# KiCad board reform2-motherboard25.kicad_pcb (continued)
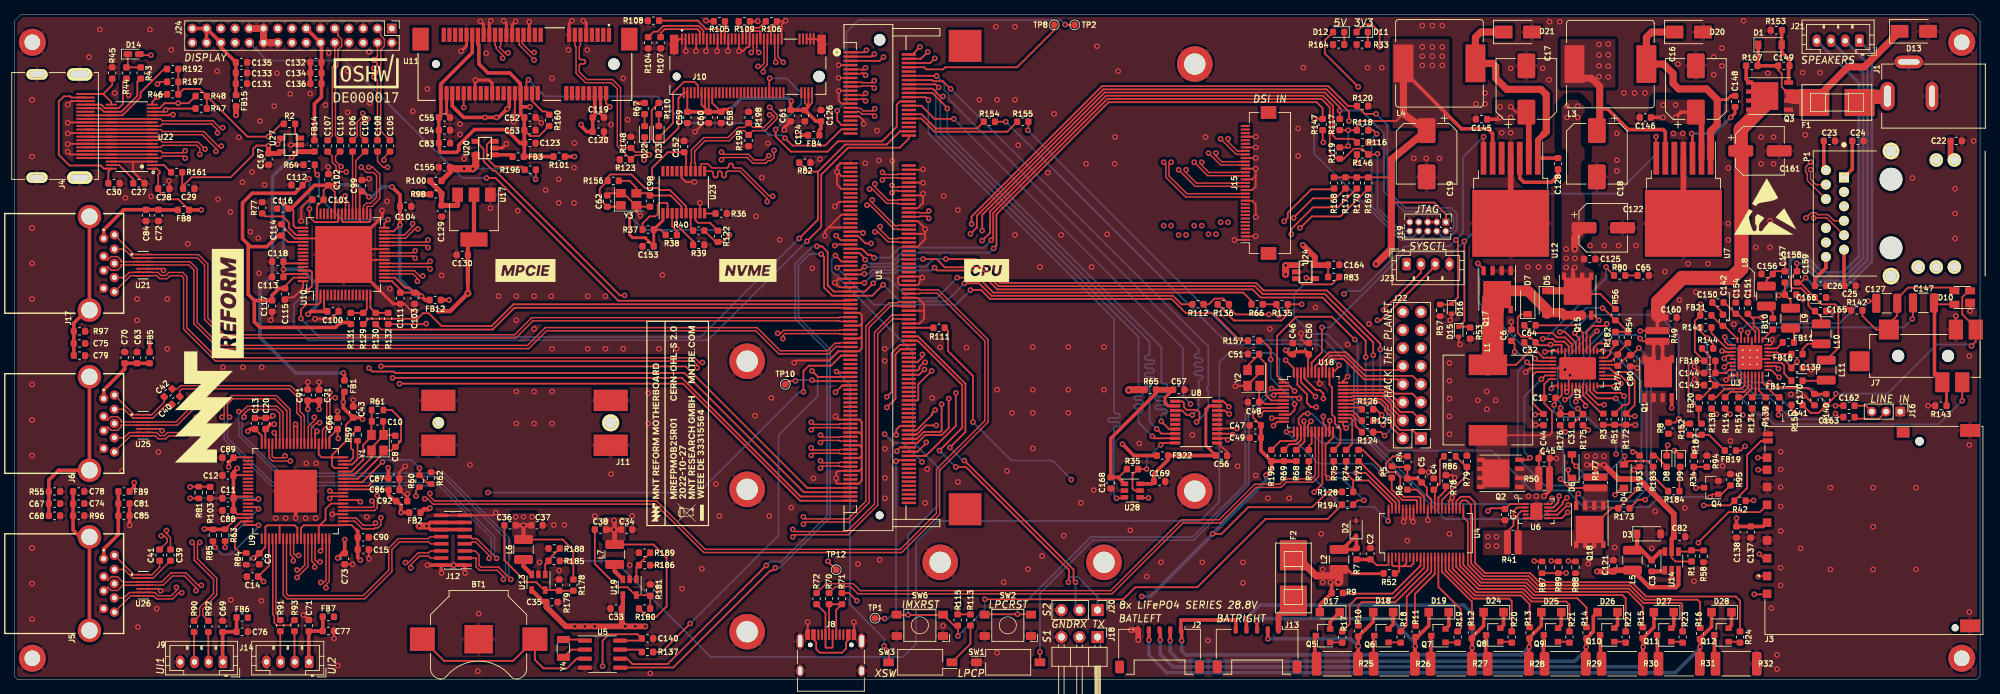
[diagram p0: board, top side]
## Routing (per net, layer and track width the routed paths; a pad name or vN(x,y) marks a point on that pad's centre or on a via; arc(x,y) is an arc through that point) (continued)
Net-(C141-Pad1): length 37.8
  Top w0.25: C141.1 252.19,37.5 253.34,37.5 R140.2 255.75,39.91 v1(255.75,40.2) ; v1(274.8,46.9) 275.4,47.5 J7.1 275.4,49.45 273.5,51.35 273.5,53.75 274.4,54.65 D10.2
  Bottom w0.25: v1(255.75,40.2) 263,40.2 269.9,47.1 274.6,47.1 v1(274.8,46.9)
Net-(C141-Pad2): length 16.5
  Top w0.25: v1(240.09,45.14) 240.5,45.55 U3.4 ; v1(250.15,37.4) 249.51,38.04 249.51,38.5
  Bottom w0.25: v1(240.09,45.14) 241.1,44.13 241.1,43.3 244.4,40 247.55,40 v1(250.15,37.4)
Net-(C142-Pad1): length 5.2
  Top w0.25: U3.32 241.95,47.87 240.11,49.71 C142.1 239.77,49.71 FB21.2
Net-(C143-Pad1): length 13.7
  Top w0.25: R144.1 238.07,45.44 238.07,42.16 C143.1 242.1,41.4 242.45,41.75 U3.10 ; FB20.2 236.99,39.69 238.71,41.4
Net-(C144-Pad2): length 4.3
  Top w0.25: FB18.2 C144.2 240.32,43.1 240.77,43.55 U3.8
Net-(C147-Pad1): length 18.1
  Top w0.25: 269.52,52.95 269.73,52.75 D10.4
  Top w0.4: J7.3 271.29,41.21 R143.1
  Top w0.5: 269.52,52.95 269.6,52.88 269.6,42.9 J7.3
Net-(C147-Pad2): length 27.3
  Top w0.25: v1(243.38,48.78) 243.45,48.71 U3.29 ; C147.2 266.57,50.78 v1(266.5,50.7)
  Bottom w0.25: v1(266.5,50.7) 265.3,49.5 244.09,49.5 v1(243.38,48.78)
Net-(C148-Pad1): length 32.2
  Top w0.4: C148.1 241.02,82.04 240.49,81.5 239.1,81.5
  Top w1: U7.1 238.16,77.06 239.1,78 239.1,81.5 237.6,83 233.7,83 232.9,83.8 232.9,85.15 231.55,86.5 L3.1 229.15,90.25 229.9,91 D20.1
Net-(C148-Pad2): length 11.7
  Top w0.4: C148.2 241.6,79.6 v1(241,79) ; U7.3 235.62,76.63 v1(235.5,76.75)
  Bottom w0.4: v1(235.5,76.75) 238.75,76.75 v1(241,79)
Net-(C149-Pad1): length 29.7
  Top w0.25: C149.1 247.66,85.67 248.16,85.18 248.16,83.27 248.79,82.63 Q3.3
  Top w0.5: C149.1 R167.2 244.85,86.36 D1.1
  Top w1: F1.2 252.71,81.36 257.45,86.1 259.75,86.1 264.7,91.05 D13.1
  Top w2: 252.71,81.9 249.65,81.9
Net-(C149-Pad2): length 7.9
  Top w0.5: Q3.4 249.12,86.13 C149.2 249.24,87.06 248.15,88.15 D1.2 248.15,91.21 R153.1
Net-(C150-Pad1): length 7.3
  Top w0.25: U3.27 244.45,48.94 241.98,51.41 C154.1 240.11,53 C150.1
Net-(C152-Pad1): length 61.7
  Top w0.25: v1(89.55,70.45) 89.55,71.9 91.76,74.11 C152.1 94.32,73.84 U23.15 ; R37.1 90.71,63.25 R38.1 ; v1(100.4,62.5) 99.41,61.51 R122.1 98.47,61.51 R40.1
  Top w0.4: U23.1 91.07,64.54 R37.1 C153.1 88.64,62.05 88.64,62.1 86.8,62.1 86.4,62.5 v1(86.4,65.2)
  Top w0.5: R101.1 v1(78.65,73.5)
  Power.Cu w0.5: v1(89.55,70.45) 87.2,68.1 86.4,68.1 ; v1(78.65,73.5) 81,73.5 86.4,68.1 ; 86.4,68.1 v1(86.4,65.2)
  Bottom w0.25: v1(86.4,65.2) 88.4,63.2 99.7,63.2 v1(100.4,62.5)
Net-(C156-Pad1): length 51.3
  Top w0.25: v1(248.5,58.5) 248.6,58.4 C157.1 248.59,57.4 247.29,57.4 C156.1 246,56.11 L8.2
  Bottom w0.4: v1(248.5,58.5) 248.5,59.07 249.33,59.9 251.2,59.9 253.85,57.25 256.75,57.25 259,59.5 259,83.84 J21.4
Net-(C157-Pad2): length 55.3
  Top w0.25: C158.1 247.85,54.1 v1(247.75,54) ; C158.1 248.61,55.8 C157.2 ; C158.1 249.4,53.31 L9.2
  Bottom w0.4: v1(247.75,54) 249.3,55.55 249.3,58.73 249.87,59.3 250.95,59.3 253.6,56.65 257,56.65 259.6,59.25 259.6,85.24 J21.3
Net-(C159-Pad1): length 55.7
  Top w0.25: v1(250.25,58.5) 250.3,58.45 C159.1 249.45,56.54 249.45,55.25 249.7,55 250.88,55 251.9,53.98 251.9,52.55 252.65,51.8 C165.1 253.7,50.91 L10.2
  Bottom w0.4: v1(250.25,58.5) 250.9,58.5 253.35,56.05 257.25,56.05 260.2,59 260.2,86.64 J21.2
Net-(C159-Pad2): length 59.7
  Top w0.25: v1(251.5,56.5) 250.81,55.81 C159.2 250.7,55.81 C166.1 253.76,52.75 255.65,52.75 256.1,52.3 256.1,46.6 L11.2
  Bottom w0.4: v1(251.5,56.5) 252.55,55.45 257.5,55.45 260.8,58.75 260.8,88.04 J21.1
Net-(C162-Pad1): length 22.6
  Top w0.25: v1(255.7,38.5) C162.1 ; v1(239.77,46.18) 239.9,46.05 U3.3
  Bottom w0.25: v1(239.77,46.18) 240.34,46.18 241.55,44.97 241.55,43.49 244.14,40.9 252.4,40.9 254.8,38.5 v1(255.7,38.5)
Net-(C162-Pad2): length 2.8
  Top w0.25: C162.2 259.98,38.5 J16.3
Net-(C163-Pad1): length 22
  Top w0.25: v1(255.7,37.4) 256.2,36.9 C163.1 ; U3.6 240.7,44.55 v1(240.1,43.95)
  Bottom w0.25: v1(255.7,37.4) 254.9,36.6 249.5,36.6 246.55,39.55 243.98,39.55 240.1,43.43 v1(240.1,43.95)
Net-(C163-Pad2): length 4.9
  Top w0.25: J16.2 261.8,36.67 258.61,36.67 C163.2
Net-(C168-Pad1): length 25.3
  Top w0.25: 154.96,28.44 155.05,28.44 R35.1
  Top w0.4: C57.1 161.55,39.59 161.55,38.9 161.97,38.47 U8.2
  Top w0.5: R65.1 160.29,40.24 153.95,33.9 C168.1 154.96,28.44 U28.1
  Top w0.8: R65.1 C57.1
Net-(C170-Pad1): length 21
  Top w0.25: v1(240.15,48.16) 240.15,47.55 240.65,47.05 U3.1 ; v1(246.46,41.76) 247.1,41.12 248.33,41.12 248.45,41 251.89,41 C170.1
  Top w0.4: C170.1 R140.1
  Bottom w0.25: v1(246.46,41.76) 243.91,41.76 242,43.67 242,46.31 v1(240.15,48.16)
Net-(D2-Pad1): length 5.4
  Top w0.5: 187.2,18.3 188.26,18.3 R7.1 188.45,20.2 D2.1 186.9,18.75 186.9,18.6
Net-(D8-Pad2): length 2.6
  Top w0.25: R183.2 230.43,31.49 D8.2
Net-(D9-Pad2): length 3.5
  Top w0.25: D9.2 233.79,29.8 R184.2
Net-(D11-Pad1): length 1.8
  Top w0.25: D11.1 R33.2
Net-(D12-Pad1): length 1.8
  Top w0.25: R164.2 D12.1
Net-(D14-Pad1): length 3.9
  Top w0.25: D14.1 15.94,86.22 R44.1 R43.1
Net-(D17-Pad1): length 2.9
  Top w0.5: Q5.2 184.75,8.15 D17.1
Net-(D18-Pad1): length 2.4
  Top w0.5: Q6.2 193.62,7.83 193.62,9.3
Net-(D19-Pad1): length 2.2
  Top w0.5: 201.43,9.2 201.43,7.62 Q7.2
Net-(D22-Pad1): length 30.7
  Top w0.25: D22.1 v1(88.5,75.1) ; U11.44 v1(63.1,80.4)
  Signal.Cu w0.25: v1(88.5,75.1) 86.99,76.61 66.89,76.61 v1(63.1,80.4)
Net-(D22-Pad2): length 1.7
  Top w0.25: R67.2 D22.2
Net-(D23-Pad1): length 12.5
  Top w0.25: J10.10 96,83.5 95.5,84 94.01,84 92.5,82.49 92.5,78.21 D23.1
Net-(D23-Pad2): length 1.7
  Top w0.25: R110.2 D23.2
Net-(D24-Pad1): length 2.4
  Top w0.5: D24.1 209.1,7.7 Q8.2
Net-(D25-Pad1): length 2.4
  Top w0.5: Q9.2 217.2,7.7 D25.1
Net-(D26-Pad1): length 2.4
  Top w0.5: D26.1 225.1,7.7 Q10.2
Net-(D27-Pad1): length 2.4
  Top w0.5: D27.1 233,7.6 Q11.2
Net-(D28-Pad1): length 2.4
  Top w0.5: Q12.2 241.1,7.65 D28.1
Net-(FB3-Pad1): length 2.7
  Top w0.5: FB3.1 69.71,73.75 U20.1
Net-(FB10-Pad1): length 2.1
  Top w0.25: U3.25 245.45,47.76 FB10.1
Net-(FB10-Pad2): length 2.1
  Top w0.25: FB10.2 246.9,51.6 L8.1
Net-(FB11-Pad1): length 2.5
  Top w0.25: FB11.1 247.45,46.55 U3.23
Net-(FB11-Pad2): length 2.2
  Top w0.25: FB11.2 249.88,48.92 L9.1
Net-(FB16-Pad1): length 3.5
  Top w0.25: U3.22 246.19,46 247.53,46 247.78,45.75 FB16.1
Net-(FB16-Pad2): length 3.6
  Top w0.25: FB16.2 251.09,46.49 251.8,47.2 L10.1
Net-(FB17-Pad1): length 5.1
  Top w0.25: FB17.1 248.5,43.01 248.5,44.17 248.12,44.55 U3.19
Net-(FB17-Pad2): length 2.7
  Top w0.25: 253.7,42.1 253.6,42 FB17.2
Net-(FB19-Pad1): length 5.8
  Top w0.25: FB19.1 237.95,34.41 R187.2 R152.2
Net-(J3-Pad1): length 96
  Top w0.25: U8.13 170.94,34.58 v1(171.08,34.43) ; J3.1 244.93,14.58 v1(244.85,14.5)
  Signal.Cu w0.25: v1(171.08,34.43) 175.01,30.5 202.2,30.5 212.05,20.65 239.3,20.65 239.65,20.3 arc(239.74,20.09) 239.65,19.88 239.62,19.84 arc(239.53,19.63) 239.62,19.42 arc(239.83,19.33) 240.04,19.42 240.53,19.91 arc(240.74,20) 240.96,19.91 arc(241.04,19.7) 240.96,19.48 240.47,18.99 arc(240.38,18.78) 240.47,18.57 arc(240.68,18.48) 240.89,18.57 241.38,19.06 arc(241.59,19.15) 241.8,19.06 arc(241.89,18.85) 241.8,18.64 241.31,18.15 arc(241.23,17.93) 241.31,17.72 arc(241.53,17.63) 241.74,17.72 242.23,18.21 arc(242.44,18.3) 242.65,18.21 arc(242.74,18) 242.65,17.79 242.16,17.3 arc(242.07,17.08) 242.16,16.87 arc(242.37,16.78) 242.59,16.87 243.08,17.36 arc(243.29,17.45) 243.5,17.36 arc(243.59,17.15) 243.5,16.94 243.01,16.45 arc(242.92,16.24) 243.01,16.02 arc(243.22,15.94) 243.44,16.02 243.93,16.51 arc(244.14,16.6) 244.35,16.51 arc(244.44,16.3) 244.35,16.09 244.32,16.06 arc(244.23,15.85) 244.32,15.63 244.85,15.1 v1(244.85,14.5)
Net-(J3-Pad2): length 96
  Top w0.25: v1(245,17.65) 245.57,17.08 J3.2 ; 168.9,35.22 168.97,35.3 v1(171.7,35.3)
  Signal.Cu w0.25: v1(171.7,35.3) 176,31 202.5,31 212.3,21.2 241.4,21.2 241.95,20.65 arc(242.17,20.56) 242.38,20.65 243.11,21.38 arc(243.32,21.47) 243.54,21.38 arc(243.62,21.17) 243.54,20.95 242.28,19.7 arc(242.19,19.49) 242.28,19.28 arc(242.49,19.19) 242.71,19.28 243.96,20.53 arc(244.17,20.62) 244.38,20.53 arc(244.47,20.32) 244.38,20.11 243.13,18.85 arc(243.04,18.64) 243.13,18.43 arc(243.34,18.34) 243.55,18.43 244.81,19.68 arc(245.02,19.77) 245.23,19.68 arc(245.32,19.47) 245.23,19.26 244.5,18.52 arc(244.41,18.31) 244.5,18.1 244.95,17.65 v1(245,17.65)
Net-(J3-Pad5): length 96.4
  Top w0.25: J3.5 245.07,23.55 240.7,23.55 236.45,19.3 v1(236.45,19.25) ; v1(159.25,25.55) 158.15,25.55 U28.4
  Signal.Cu w0.25: v1(236.45,19.25) 236.35,19.35 209.85,19.35 208.82,20.38 208.82,20.4 208.4,20.83 208.38,20.83 201.75,27.45 169.85,27.45 167.55,29.75 163.45,29.75 v1(159.25,25.55)
Net-(J3-Pad7): length 96
  Top w0.25: U8.18 169.98,37.83 170.46,37.34 v1(170.59,37.34) ; J3.7 v1(244.85,29.5)
  Signal.Cu w0.25: v1(244.85,29.5) 244.85,28.25 241.82,25.22 arc(241.61,25.13) 241.4,25.22 241.3,25.31 arc(241.09,25.4) 240.88,25.31 arc(240.79,25.1) 240.88,24.89 241.63,24.14 arc(241.72,23.92) 241.63,23.71 arc(241.42,23.62) 241.21,23.71 240.45,24.47 arc(240.24,24.55) 240.03,24.47 arc(239.94,24.25) 240.03,24.04 240.78,23.29 arc(240.87,23.07) 240.78,22.86 arc(240.57,22.77) 240.36,22.86 239.6,23.62 arc(239.39,23.71) 239.18,23.62 arc(239.09,23.41) 239.18,23.19 239.93,22.44 arc(240.02,22.23) 239.93,22.01 arc(239.72,21.93) 239.51,22.01 239.27,22.25 arc(239.06,22.34) 238.85,22.25 238.35,21.75 212.55,21.75 202.8,31.5 176.58,31.5 170.74,37.34 v1(170.59,37.34)
Net-(J3-Pad8): length 96
  Top w0.25: v1(170.54,38.34) 169.75,39.12 U8.20 ; J3.8 v1(244.8,31.2)
  Signal.Cu w0.25: v1(170.54,38.34) 170.74,38.34 177.07,32 203.1,32 212.8,22.3 236.6,22.3 240.16,25.86 arc(240.24,26.07) 240.16,26.28 240.09,26.35 arc(240,26.56) 240.09,26.77 arc(240.3,26.86) 240.51,26.77 241.07,26.21 arc(241.29,26.12) 241.5,26.21 arc(241.59,26.42) 241.5,26.63 240.93,27.2 arc(240.85,27.41) 240.93,27.62 arc(241.15,27.71) 241.36,27.62 241.92,27.06 arc(242.14,26.97) 242.35,27.06 arc(242.44,27.27) 242.35,27.48 241.78,28.05 arc(241.69,28.26) 241.78,28.47 arc(241.99,28.56) 242.21,28.47 242.77,27.91 arc(242.98,27.82) 243.2,27.91 arc(243.28,28.12) 243.2,28.33 242.63,28.9 arc(242.54,29.11) 242.63,29.32 arc(242.84,29.41) 243.06,29.32 243.13,29.25 arc(243.34,29.16) 243.55,29.25 244,29.7 244,30.4 v1(244.8,31.2)
Net-(J3-Pad9): length 96
  Top w0.25: v1(244.3,12) 246.02,12 J3.9 ; U8.12 170.18,33.92 v1(170.37,33.73)
  Signal.Cu w0.25: v1(244.3,12) 243.9,12.4 243.9,13.45 242.98,14.37 arc(242.79,14.45) 242.6,14.37 arc(242.4,14.29) 242.21,14.37 242.17,14.41 arc(242.09,14.61) 242.17,14.8 242.55,15.18 arc(242.63,15.37) 242.55,15.56 242.51,15.6 arc(242.32,15.68) 242.13,15.6 241.75,15.22 arc(241.56,15.14) 241.36,15.22 241.32,15.26 arc(241.24,15.45) 241.32,15.65 241.7,16.03 arc(241.78,16.22) 241.7,16.41 241.66,16.45 arc(241.47,16.53) 241.28,16.45 240.9,16.07 arc(240.71,15.99) 240.52,16.07 240.47,16.11 arc(240.39,16.3) 240.47,16.49 240.86,16.88 arc(240.94,17.07) 240.86,17.26 240.81,17.3 arc(240.62,17.38) 240.43,17.3 240.05,16.92 arc(239.86,16.84) 239.67,16.92 239.63,16.96 arc(239.55,17.15) 239.63,17.34 240.01,17.72 arc(240.09,17.92) 240.01,18.11 239.97,18.15 arc(239.77,18.23) 239.58,18.15 239.2,17.77 arc(239.01,17.69) 238.82,17.77 238.78,17.81 arc(238.7,18) 238.78,18.19 239.16,18.57 arc(239.24,18.76) 239.16,18.96 239.12,19 arc(238.93,19.08) 238.74,19 238.54,18.81 238.54,18.81 238.35,18.62 arc(238.16,18.54) 237.97,18.62 237.92,18.66 arc(237.85,18.85) 237.92,19.04 arc(238,19.23) 237.93,19.42 237.25,20.1 211.8,20.1 202,29.9 174.2,29.9 v1(170.37,33.73)
Net-(J4-Pad13): length 14.5
  Top w0.25: J4.13 U22.23 15.19,79.3 17.74,81.85 17.74,82.51 21.02,85.8 R192.2
Net-(J4-Pad15): length 11
  Top w0.25: R43.2 17.29,84 17.29,82.04 15.05,79.8 U22.22 12.59,79.8 12.09,80.3 J4.15
Net-(J4-Pad16): length 9.5
  Top w0.25: J4.16 12.23,80.8 12.73,80.3 U22.21 14.65,80.3 15.25,80.9 15.25,83.96 R44.2
Net-(J4-Pad19): length 7.1
  Top w0.25: 12.5,82.3 13.62,81.18 U22.20 ; 12.5,82.3 J4.19 ; 12.5,82.3 13.75,83.55 R45.1
Net-(J7-Pad6): length 51.2
  Top w0.25: R144.2 238.54,47.16 v1(237.7,48) 236.71,48.99 R141.1 ; v1(273.5,39.2) J7.6
  Bottom w0.25: v1(237.7,48) 237.7,43.3 240.25,40.75 241.33,40.75 244.83,37.25 245.72,37.25 247.07,35.9 270.2,35.9 v1(273.5,39.2)
Net-(J8-PadA6): length 11.1
  Top w0.25: 114.4,6.14 R70.1 R71.2 115.4,9.81 115.4,6.14
Net-(J8-PadA7): length 9.2
  Top w0.25: 114.9,6.14 114.9,4.6 114.8,4.5 114,4.5 113.9,4.6 113.9,9.36 R72.1
Net-(J9-Pad2): length 4.2
  Top w0.25: R92.2 27.25,2.55 J9.2
Net-(J9-Pad3): length 4.2
  Top w0.25: R90.2 25.25,2.55 J9.3
Net-(J10-Pad11): length 7.4
  Top w0.25: R107.1 90.75,90.83 91.32,91.4 95.9,91.4 96.25,91.05 J10.11
Net-(J10-Pad13): length 9.8
  Top w0.25: J10.13 96.75,91.19 96.09,91.85 91.14,91.85 90.34,91.05 89.76,91.05 R104.1
Net-(J10-Pad23): length 10.4
  Top w0.25: R108.1 95.97,92.6 97.17,91.4 98.89,91.4 99.23,91.06 99.24,91.06 99.25,91.05 J10.23
Net-(J10-Pad25): length 2.5
  Top w0.25: J10.25 99.75,92.46 R105.1
Net-(J10-Pad35): length 2.7
  Top w0.25: J10.35 102.25,91.39 101.71,91.92 R109.1
Net-(J10-Pad37): length 4.6
  Top w0.25: J10.37 102.73,90.05 102.73,91.33 103,91.6 104.61,91.6 R106.1
Net-(J14-Pad2): length 4.3
  Top w0.25: R93.2 39.35,2.55 J14.2
Net-(J14-Pad3): length 4.3
  Top w0.25: R91.2 37.35,2.55 J14.3
Net-(L6-Pad1): length 2.6
  Top w0.6: L6.1 71.5,15.95 U13.3
Net-(L7-Pad1): length 2.6
  Top w0.6: U19.3 84.3,15.25 L7.1
Net-(P1-Pad13): length 81.6
  Top w0.25: R116.1 v1(191.3,75.5)
  Signal.Cu w0.25: v1(191.3,75.5) 261.63,75.5 262.57,76.45 266.42,76.45 P1.13
Net-(P1-Pad15): length 90.7
  Top w0.25: v1(188.5,72.6) 188.51,72.61 R146.1
  Signal.Cu w0.25: v1(188.5,72.6) 192.2,72.6 194.25,74.65 255.65,74.65 267.31,62.99 P1.15
Net-(P1-Pad17): length 106.2
  Top w0.25: v1(183.8,75.5) 183.7,75.6 R147.1
  Signal.Cu w0.25: v1(183.8,75.5) 183.8,73.6 185.53,71.87 192.17,71.87 ; P1.17 270.63,56.22 266.43,56.22 265.75,56.9 265.75,63.91 255.46,74.2 194.5,74.2 192.2,71.9
Net-(Q1-Pad4): length 22.3
  Top w0.25: v1(215.8,40.93) 215.8,41 216.11,41.31 U2.1
  Top w0.5: v1(232.7,38.2) 232.7,38.2 Q1.4
  Signal.Cu w0.25: v1(215.8,40.93) 216.4,41.53 223.75,41.53 225.23,43 227.9,43 v1(232.7,38.2)
Net-(Q1-Pad5): length 31.2
  Top w0.25: R49.1 228.66,47.55 v1(228.26,47.95) ; v1(219.24,39.09) 219.25,39.1 U2.6
  Top w0.5: Q1.8 Q1.7 ; Q1.7 230.17,43.62 Q1.5 ; Q1.7 230.17,47.02 R49.1 231.44,46.81 Q1.6 Q1.5
  Bottom w0.25: v1(228.26,47.95) 227.76,48.45 223.65,48.45 221.2,46 221.2,40.95 219.34,39.09 v1(219.24,39.09)
Net-(Q2-Pad4): length 15.8
  Top w0.25: v1(214.41,42.21) 214.95,42.75 U2.37 ; Q2.4 212.52,30.91 v1(212.81,31.19)
  Bottom w0.25: v1(214.41,42.21) 212.02,39.82 212.02,31.97 v1(212.81,31.19)
Net-(Q4-Pad3): length 27
  Top w0.25: Q4.3 236.15,27 v1(236.1,26.95) ; U2.16 224.02,43.75 224.52,43.25 226.31,43.25 227.5,42.06 227.5,38.59 R172.1 226.66,37.02 v1(227.52,37.02)
  Signal.Cu w0.25: v1(227.52,37.02) 228.35,36.2 228.35,34.02 235.42,26.95 v1(236.1,26.95)
Net-(Q5-Pad1): length 1.7
  Top w0.25: R17.1 186.41,5.25 Q5.1
Net-(Q5-Pad3): length 4.1
  Top w0.5: R25.2 182.6,2.5 182.6,6.05 Q5.3
Net-(Q6-Pad1): length 1.7
  Top w0.25: Q6.1 194.61,5.25 R18.1
Net-(Q6-Pad3): length 4
  Top w0.4: Q6.3 190.85,6.1 R26.2
Net-(Q7-Pad1): length 1.7
  Top w0.25: Q7.1 202.61,5.25 R19.1
Net-(Q7-Pad3): length 4
  Top w0.5: Q7.3 198.9,6.15 198.9,2.3 R27.2
Net-(Q8-Pad1): length 1.7
  Top w0.25: R20.1 210.11,5.35 Q8.1
Net-(Q8-Pad3): length 4.2
  Top w0.5: R28.2 206.6,2.5 206.6,6.25 Q8.3
Net-(Q9-Pad1): length 1.7
  Top w0.25: Q9.1 218.21,5.35 R21.1
Net-(Q9-Pad3): length 4.1
  Top w0.5: Q9.3 214.7,6.25 214.7,2.4 R29.2
Net-(Q10-Pad1): length 1.7
  Top w0.25: R22.1 226.11,5.35 Q10.1
Net-(Q10-Pad3): length 4.1
  Top w0.5: R30.2 222.7,2.4 222.7,6.25 Q10.3
Net-(Q11-Pad1): length 1.7
  Top w0.25: R23.1 234.11,5.35 Q11.1
Net-(Q11-Pad3): length 4.1
  Top w0.5: R31.2 230.7,2.4 230.7,6.25 Q11.3
Net-(Q12-Pad1): length 1.7
  Top w0.25: R24.1 242.16,5.35 Q12.1
Net-(Q12-Pad3): length 4.1
  Top w0.5: Q12.3 238.7,2.4 R32.2
Net-(Q15-Pad4): length 12.8
  Top w0.25: U2.31 214.99,46.19 v1(214.88,46.08) ; Q15.4 221.77,51.23 v1(222.5,50.5)
  Bottom w0.25: v1(222.5,50.5) 222.2,50.5 217.78,46.08 v1(214.88,46.08)
Net-(Q17-Pad4): length 20.8
  Top w0.25: v1(213.53,45.13) 213.9,44.75 U2.33 ; Q17.4 206.29,57.71 v1(205.5,58.5)
  Bottom w0.25: v1(213.53,45.13) 205.5,53.15 v1(205.5,58.5)
Net-(Q18-Pad1): length 13.6
  Top w0.25: R176.1 217.05,35.55 v1(217.8,34.8) ; R177.2 218.35,26.95 v1(217.1,28.2)
  Bottom w0.25: v1(217.1,28.2) 217.5,28.6 217.5,29.17 217.48,29.2 217.48,34.47 v1(217.8,34.8)
Net-(Q18-Pad4): length 39.5
  Top w0.25: v1(219.6,26.15) 219.3,25.84 Q18.4 ; U2.21 221.75,46.67 222.33,47.25 v1(223.7,47.25)
  Bottom w0.25: v1(223.7,47.25) 224.1,47.65 225.43,47.65 229.2,43.88 229.2,26.88 227.4,25.07 220.68,25.07 v1(219.6,26.15)
Net-(R1-Pad1): length 3.6
  Top w0.25: U14.4 235.32,18.01 R1.1 237.16,18.19 R58.1
Net-(R2-Pad1): length 2.3
  Top w0.25: R2.1 39.44,76.76 U27.3
Net-(R3-Pad2): length 5.2
  Top w0.25: U2.8 220.25,40 222.86,37.39 R3.2
Net-(R4-Pad2): length 13.7
  Top w0.25: U4.35 197.45,25.55 197.3,25.7 195.08,25.7 194.6,26.18 194.6,28.46 193.88,29.18 192.92,29.18 192.6,29.49 192.6,30.43 193.56,31.39 R4.2
Net-(R5-Pad2): length 7.1
  Top w0.25: U4.36 196.95,25.15 196.85,25.25 194.9,25.25 193.4,26.75 R5.2
Net-(R6-Pad2): length 4.5
  Top w0.25: R6.2 196.95,26.71 197.95,25.71 U4.34
Net-(R8-Pad2): length 33.4
  Top w0.25: v1(219.1,48.7) 219.1,48.6 219.75,47.95 U2.25 ; R8.2 233.19,36.14 v1(233.7,36.65)
  Bottom w0.25: v1(233.7,36.65) 233.7,48.4 230.8,51.3 221.2,51.3 219.1,49.2 v1(219.1,48.7)
Net-(R9-Pad2): length 13.8
  Top w0.25: R9.2 186.64,12.1 193.5,12.1 197.45,16.05 U4.10
Net-(R10-Pad2): length 16.4
  Top w0.25: U4.12 198.45,15.45 193.9,10.9 189.2,10.9 188.7,10.4 R10.2
Net-(R11-Pad2): length 10.8
  Top w0.25: R11.2 196.65,7.69 196.65,12.05 199.45,14.85 U4.14
Net-(R12-Pad2): length 11.6
  Top w0.25: R12.2 204.65,10.99 200.45,15.19 U4.16
Net-(R13-Pad2): length 18.3
  Top w0.25: R13.2 212.75,10.64 211.54,11.85 205.06,11.85 201.45,15.46 U4.18
Net-(R14-Pad2): length 24.8
  Top w0.25: R14.2 220.75,10.15 219.45,11.45 213.21,11.45 211.91,12.75 205.57,12.75 202.45,15.87 U4.20
Net-(R15-Pad2): length 31.6
  Top w0.25: R15.2 228.65,10.24 226.54,12.35 213.58,12.35 212.28,13.65 205.94,13.65 203.45,16.14 U4.22
Net-(R16-Pad2): length 49.1
  Top w0.25: R16.2 236.7,10.9 236.35,11.25 228.91,11.25 226.91,13.25 213.95,13.25 212.65,14.55 206.31,14.55 204.55,16.31 204.55,24.55 203.9,25.2 203.3,25.2 202.95,24.85 U4.24
Net-(R17-Pad2): length 18.2
  Top w0.25: R17.2 187.5,7.84 187.5,10.5 188.5,11.5 193.7,11.5 197.95,15.75 U4.11
Net-(R18-Pad2): length 12.2
  Top w0.25: U4.13 198.95,15.15 195.5,11.7 195.5,7.64 R18.2
Net-(R19-Pad2): length 11.9
  Top w0.25: R19.2 203.1,7.24 203.1,9.9 199.95,13.05 U4.15
Net-(R20-Pad2): length 17.2
  Top w0.25: R20.2 210.25,11.05 209.9,11.4 204.87,11.4 200.95,15.32 U4.17
Net-(R21-Pad2): length 23.9
  Top w0.25: U4.19 201.95,15.6 205.25,12.3 211.72,12.3 213.02,11 217.9,11 218.35,10.55 R21.2
Net-(R22-Pad2): length 31.1
  Top w0.25: U4.21 202.95,16 205.75,13.2 212.1,13.2 213.4,11.9 225.8,11.9 226.25,11.45 R22.2
Net-(R23-Pad2): length 44.3
  Top w0.25: U4.23 203.45,22.85 204.1,22.2 204.1,16.13 206.13,14.1 212.47,14.1 213.77,12.8 226.72,12.8 228.72,10.8 234,10.8 234.2,10.6 234.2,6.84 R23.2
Net-(R24-Pad2): length 56.5
  Top w0.25: U4.25 202.45,25.07 203.08,25.7 204.3,25.7 205.1,24.9 205.1,16.4 206.5,15 212.84,15 214.14,13.7 227.1,13.7 229.1,11.7 241.7,11.7 242.3,11.1 R24.2
Net-(R34-Pad1): length 25.6
  Top w0.25: R94.2 R34.1 v1(235.8,28.7) ; v1(223.22,38.65) 222.35,38.65 220.75,40.25 U2.9
  Signal.Cu w0.25: v1(223.22,38.65) 223.97,37.9 228.1,37.9 228.95,37.05 228.95,34.25 234.5,28.7 v1(235.8,28.7)
Net-(R35-Pad2): length 11.8
  Top w0.25: U8.10 161.22,33.28 v1(160.95,33) ; v1(159,29.6) R35.2 157,28.81 157,26.87 157.29,26.58 U28.5
  Bottom w0.25: v1(159,29.6) 159,31.05 v1(160.95,33)
Net-(R36-Pad2): length 1.6
  Top w0.25: R36.2 96.97,65.5 U23.10
Net-(R37-Pad2): length 7.7
  Top w0.25: R37.2 88.21,64.11 89.2,65.1 90,65.1 90.35,65.45 90.35,66.75 90.6,67 91.6,67 91.72,66.88 U23.2
Net-(R38-Pad2): length 3.3
  Top w0.25: R38.2 93.04,63.08 92.38,63.74 U23.3
Net-(R39-Pad2): length 5.4
  Top w0.25: R39.2 95.31,61.67 95.22,61.67 93.03,63.88 U23.4
Net-(R40-Pad2): length 2.6
  Top w0.25: U23.7 94.97,63.44 R40.2
Net-(R51-Pad2): length 9.6
  Top w0.25: R51.2 225.94,38.62 226.45,38.62 226.75,38.93 226.75,41.54 225.54,42.75 U2.14
Net-(R52-Pad1): length 8.9
  Top w0.25: 195.05,15.95 196.05,15.95 196.45,16.35 U4.8 ; 195.05,15.95 194.45,15.95 ; 195.05,15.95 195.45,16.35 U4.6 ; U4.2 193.45,16.15 193.65,15.95 194.45,15.95 ; 194.45,15.95 U4.4 ; 194.45,15.95 194.45,15.24 194.25,15.04
Net-(R59-Pad1): length 4.9
  Top w0.25: U9.78 47.45,30.25 48.2,31 R59.1
Net-(R59-Pad2): length 6.1
  Top w0.25: R59.2 47.3,34.33 47.3,32.5 47.6,32.2 47.6,31.2 47.15,30.75 U9.79
Net-(R60-Pad2): length 15.6
  Top w0.25: U9.73 48.85,27.75 v1(51.7,30.6) ; v1(56.9,29.72) 56.9,29.4 56.91,29.39 R60.2 58.14,27.5 R62.1
  Bottom w0.25: v1(56.9,29.72) 55.72,30.9 52,30.9 v1(51.7,30.6)
Net-(R63-Pad2): length 9.8
  Top w0.25: v1(29.6,18.6) 29.6,19.48 29.61,19.5 ; U9.35 34.05,24.25 v1(34.3,24)
  Bottom w0.25: v1(29.6,18.6) 29.6,19.3 v1(34.3,24)
Net-(R64-Pad2): length 17.2
  Top w0.25: U10.32 51.95,64.1 v1(52.5,64.65) ; R64.2 42.19,71.31 v1(42.55,70.95)
  Bottom w0.25: v1(42.55,70.95) 42.8,70.7 42.8,67.8 45.95,64.65 v1(52.5,64.65)
Net-(R77-Pad2): length 7.4
  Top w0.25: R77.2 35.21,65.1 37.7,65.1 38.6,64.2 38.6,63.45 39.55,62.5 U10.51
Net-(R78-Pad1): length 3.6
  Top w0.25: U4.30 199.95,25.59 201,26.64 R78.1
Net-(R79-Pad1): length 9.6
  Top w0.25: U4.29 200.45,25.25 203.95,28.75 R79.1 203.86,29.91 R86.1
Net-(R80-Pad2): length 20.4
  Top w0.25: v1(223.5,58) 223.5,57.91 R80.2 ; U2.28 218.25,46.86 217.61,47.5 216.4,47.5 216,47.9 v1(214.6,47.9)
  Bottom w0.25: v1(214.6,47.9) 214.96,47.9 223.5,56.44 v1(223.5,58)
Net-(R81-Pad1): length 12.4
  Top w0.25: v1(24.7,25.5) 24.72,25.47 R81.1 ; U9.33 34.15,25.25 v1(34.3,25.4)
  Bottom w0.25: v1(34.3,25.4) 34.2,25.5 v1(24.7,25.5)
Net-(R83-Pad1): length 6.8
  Top w0.25: R83.1 184.99,55.55 180.8,55.55 U24.3
Net-(R84-Pad1): length 6.9
  Top w0.25: U9.39 31.85,22.25 31,21.4 31,18.5 31.69,17.81 R84.1
Net-(R85-Pad2): length 10.8
  Top w0.25: v1(28.2,18.6) 27.9,18.9 R85.2 ; v1(34.3,21.7) 34.25,21.75 U9.40
  Bottom w0.25: v1(28.2,18.6) 29.2,17.6 30.4,17.6 34.3,21.5 v1(34.3,21.7)
Net-(R111-Pad2): length 3.5
  Top w0.25: R111.2 U1.118
Net-(R112-Pad2): length 94.1
  Top w0.25: v1(176.15,51.32) 171.49,51.32 170.54,52.28 R136.2 169.74,53.55 168.52,53.55 167.72,52.75 R112.2 ; 170.75,52.41 170.5,52.66 ; U3.18 247.35,44.05 v1(247.7,43.7)
  Signal.Cu w0.25: v1(176.15,51.32) 177.02,50.45 185.41,50.45 191.46,56.5 229.82,56.5 230.22,56.1 238,56.1 244.1,50 244.1,48.8 247.7,45.2 v1(247.7,43.7)
Net-(R113-Pad1): length 6.2
  Top w0.25: SW3.1 134.25,5.05 R113.1
Net-(R114-Pad2): length 5.6
  Top w0.25: R114.2 240.96,40.45 242.85,40.45 243.45,41.05 U3.12
Net-(R121-Pad2): length 3.4
  Top w0.25: U3.14 244.46,42.85 244.46,40.15 R121.2
Net-(R122-Pad2): length 4.8
  Top w0.25: U23.8 95.62,64.58 96,64.2 97.69,64.2 R122.2
Net-(R129-Pad1): length 4.5
  Top w0.25: U10.15 49.5,52.04 R129.1 R131.1
Net-(R130-Pad1): length 4.6
  Top w0.25: R132.1 R130.1 50,52.29 U10.16
Net-(R135-Pad2): length 87.7
  Top w0.25: R66.2 R135.2 ; v1(247.8,42.5) 247.7,42.5 246.65,43.55 U3.17 ; 177,52.66 177.55,52.11 v1(177.55,51.2)
  Signal.Cu w0.25: v1(247.8,42.5) 248.43,43.12 248.43,45.11 244.55,48.99 244.55,50.19 238.19,56.55 230.4,56.55 230,56.95 191.28,56.95 185.23,50.9 177.85,50.9 v1(177.55,51.2)
Net-(R137-Pad2): length 3.2
  Top w0.25: R137.2 87.78,4.24 85.08,4.24
Net-(R138-Pad1): length 6.9
  Top w0.25: U3.11 242.95,41.35 242.5,40.9 240.17,40.9 238.96,39.69 R138.1
Net-(R139-Pad2): length 3.6
  Top w0.25: U3.15 244.95,40.64 R139.2
Net-(R141-Pad2): length 4.7
  Top w0.25: R141.2 238.29,48.69 240.43,46.55 U3.2
Net-(R150-Pad2): length 4.3
  Top w0.25: R150.2 247.51,39.69 245.45,41.75 U3.16
Net-(R151-Pad2): length 4.3
  Top w0.25: U3.13 243.95,40.91 242.72,39.69 R151.2
Net-(R154-Pad2): length 11.7
  Top w0.25: R154.2 135.16,77.45 129.39,77.45 127.39,79.45 U1.30
Net-(R155-Pad1): length 16.6
  Top w0.25: R155.1 139.41,77 129.2,77 127.35,78.85 U1.32
Net-(R160-Pad2): length 4.3
  Top w0.25: R160.2 74.64,79.85 74.17,79.85 72.7,81.31 U11.20
Net-(R161-Pad2): length 3
  Top w0.25: U22.2 21.01,72.3 R161.2
Net-(R174-Pad1): length 4.8
  Top w0.25: U2.18 224.21,44.75 R174.1 225.15,45.91 R54.1
Net-(R182-Pad1): length 3.2
  Top w0.25: R182.1 224.8,47 224.1,46.3 224.1,45.8 223.55,45.25 U2.19
Net-(R182-Pad2): length 18.1
  Top w0.25: v1(223,52.2) 223.01,52.21 223.1,52.21 R56.2 224.93,50.51 R54.2 R182.2 ; v1(217,48.88) 217.72,48.88 219.25,47.35 U2.26
  Bottom w0.25: v1(217,48.88) 217.34,48.88 220.72,52.25 222.95,52.25 v1(223,52.2)
Net-(R185-Pad2): length 4.5
  Top w0.25: U13.1 74.55,16.24 R185.2 75.01,16.88 R188.1
Net-(R186-Pad2): length 4.6
  Top w0.25: U19.1 87.35,15.74 R186.2 87.71,16.28 R189.1
